# Altium PCB PCB信仰尺V1.0.pcbdoc (part 3 of 6)
Units mil, origin at the board's own origin, x right, y up, seen from the top; angles counter-clockwise.
Board outline 13501.75 x 10176.26 mil, 2 copper layers (Top Layer, Bottom Layer); 258 components, 187 nets, 2051 pads, 0 vias.
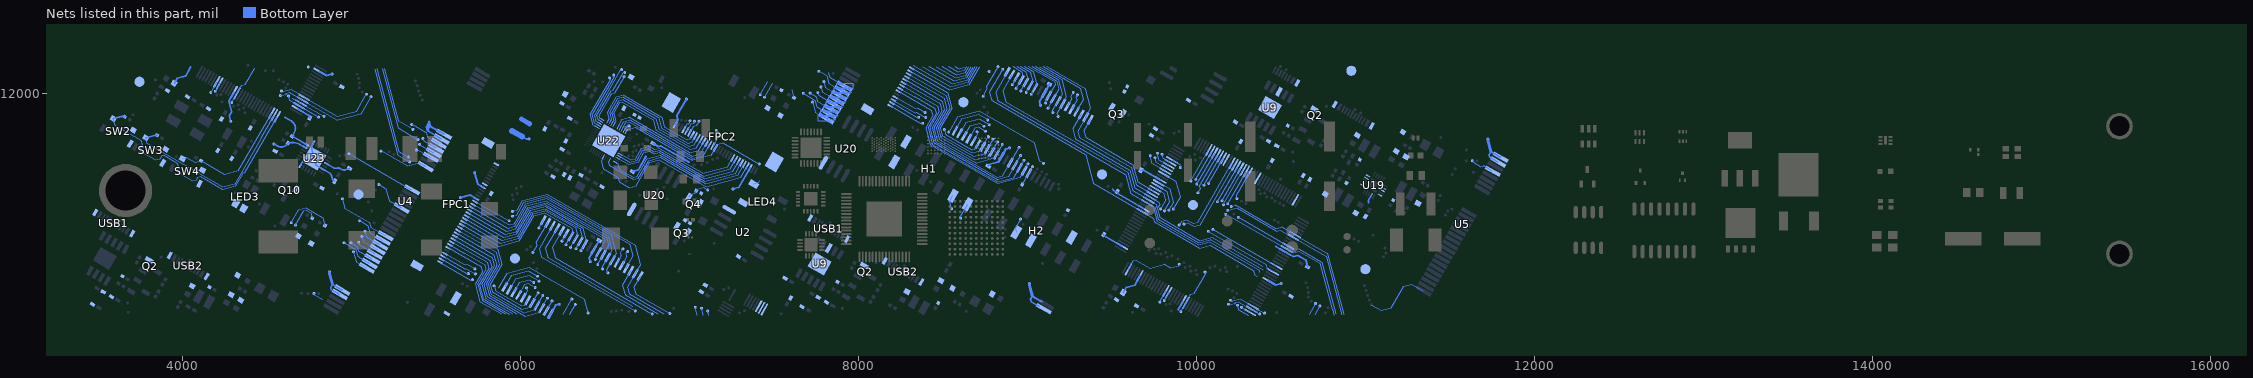
[diagram p3: the nets of this part, all layers, seen from the top]

## Nets (pads, with @x,y where several pads share a name; then routed paths per layer and width w, separated by ;. In a path a pad name is that pad's centre, name@x,y a point inside that pad or via, vN(x,y) a via of type N, cw(c..) or ccw(c..) an arc to the next point about the centre after c; other vN are vias at no path point) (continued)
FSMC-A5: pad.24@6163.05,11231.81 pad.130 pad.145@4293.06,11944.84 pad.145@5163.04,11459.16 pad.145@6074.56,11056.54 pad.145@8738.56,11981.54 pad.145@8826.39,12156.63 pad.145@9908.11,10706.73 pad.145@10050.96,10940.91 U4.25 | length 1141.6
  Bottom Layer w5.98: pad.145@4293.06,11944.84 pad.145@4295.78,11949.55 ; pad.145@4295.73,11949.76 pad.145@4295.78,11949.55 ; 4427.75,12147.86 4372.61,12052.78 4352.23,12047.32 pad.130@4323.77,11998.03 pad.145@4295.78,11949.55 ; pad.145@5163.04,11459.16 5204.25,11435.37 5223.77,11362.52 U4.25@5295.61,11321.05 ; pad.145@6074.56,11056.54 6099.96,11100.52 6095.75,11116.22 6162.39,11231.63 pad.24@6163.05,11231.81 ; pad.145@8738.56,11981.54 8763.96,12025.52 8759.75,12041.22 pad.145@8826.39,12156.63 pad.145@8827.05,12156.81 ; pad.145@9908.11,10706.73 pad.145@9910.82,10711.44 ; pad.145@9910.77,10711.64 pad.145@9910.82,10711.44 ; pad.145@10050.96,10940.91 10054,10929.57 9987.66,10814.66 9967.27,10809.2 pad.130@9938.81,10759.92 pad.145@9910.82,10711.44
FSMC-A6: pad.25@6190.33,11216.06 pad.95 pad.145@4745.27,12153.6 pad.145@5386.38,11663.16 pad.145@6680.47,10711.03 pad.145@8854.33,12141.06 U4.11 | length 3117.3
  Bottom Layer w5.98: pad.145@5386.38,11663.16 5392.92,11664.91 U4.11@5468.83,11621.09 ; pad.25@6190.33,11216.06 6111.78,11080 6124.66,11031.93 pad.145@6680.47,10711.03 ; pad.145@8854.33,12141.06 8775.78,12005 8788.66,11956.93 9344.47,11636.03 9390.21,11465.33 pad.95@9679.22,11298.49 9745.76,11260.05 9751.66,11238.03 10020.61,11082.75 10082.29,11099.27 10340.82,10950.01 10348.2,10922.48 10360.31,10915.48
FSMC-A7: pad.26@6217.61,11200.31 pad.26@8881.61,12125.31 pad.92 pad.145@5404.5,11696.62 U4.9 | length 2984.1
  Bottom Layer w5.98: pad.145@5404.5,11696.62 5405.14,11694.23 U4.9@5484.58,11648.36 ; pad.26@6217.61,11200.31 6148.4,11080.42 6162.18,11028.96 6664.75,10738.86 ; pad.26@8881.61,12125.31 8812.4,12005.42 8826.18,11953.96 9586.45,11515.01 9616.1,11404.36 pad.92@9707.18,11351.78 ; pad.92@9708.76,11349.66 9744.34,11329.12 9766.93,11244.78 10013.35,11102.51 10079.59,11120.26 10367.63,10953.96 10371.39,10939.93
FSMC-A8: pad.27@6244.81,11184.61 pad.27@8908.81,12109.61 pad.91 pad.145@5423.86,11731.48 pad.145@6780.75,10692.86 U4.7 | length 3022.7
  Bottom Layer w5.98: pad.145@5423.86,11731.48 5427.56,11717.65 U4.7@5500.33,11675.64 ; pad.27@6244.89,11184.56 6189.61,11088.81 6206.89,11024.35 pad.145@6780.75,10692.86 ; pad.27@8908.89,12109.56 8853.61,12013.81 8870.89,11949.35 9596.47,11530.43 9625.63,11421.6 pad.91@9717.03,11368.84 ; pad.91@9718.59,11366.68 9761.71,11341.83 9764.71,11330.65 9757.95,11318.94 9775.79,11252.35 10014.9,11114.3 10081.14,11132.04 10395.05,10950.79
FSMC-A9: pad.42@6654,10948.36 pad.42@9318,11873.36 pad.90 pad.145@5357.15,11814.37 U4.5 | length 2175
  Bottom Layer w5.98: pad.145@5357.15,11814.37 5442.39,11765.16 5448.64,11741.85 U4.5@5516.08,11702.92 ; pad.42@6654,10948.36 6604.54,10862.69 6619.89,10805.43 6813.75,10693.86 ; pad.42@9318,11873.36 9268.54,11787.69 9283.89,11730.43 9606.18,11544.35 9634.36,11439.2 pad.90@9726.83,11385.81 ; pad.90@9728.43,11383.72 9777.62,11355.28 9782.06,11338.73 9769.73,11317.39 9783.95,11264.34 10021.21,11127.36 10094.51,11147 10391.87,10975.31
FSMC-A10: FPC1.2 pad.2@8198.03,11941.34 pad.43@6681.28,10932.61 pad.43@9345.28,11857.61 pad.89 pad.145@5692.95,10932.09 pad.145@5953.97,11299.51 pad.145@8356.95,11857.09 | length 2904.1
  Bottom Layer w5.98: FPC1.2@5534.03,11016.34 5684.07,10929.71 pad.145@5692.95,10932.09 ; pad.145@5953.97,11299.51 5979.02,11306.22 6009.5,11359.02 6159.1,11399.1 6681.9,11097.26 6711.84,10985.53 pad.43@6681.28,10932.61 6633.83,10850.42 6643.75,10813.41 6848.75,10694.86 ; pad.2@8198.03,11941.34 8348.07,11854.71 pad.145@8356.95,11857.09 ; 9115.75,12155.86 9345.9,12022.26 9375.84,11910.53 pad.43@9345.28,11857.61 9297.83,11775.42 9307.75,11738.41 9615.46,11560.75 9643.32,11456.77 pad.89@9736.68,11402.87
FSMC-A11: pad.44@6708.56,10916.86 pad.44@9372.56,11841.86 pad.88 pad.145@6884.75,10695.86 | length 1002.5
  Bottom Layer w5.98: pad.44@6708.56,10916.86 6671.12,10852 6681.63,10812.74 pad.145@6884.75,10695.86 ; pad.44@9372.56,11841.86 9335.12,11777 9345.63,11737.74 9624.92,11576.49 9652.29,11474.34 pad.88@9746.53,11419.93
FSMC-A12: pad.22@5907.77,10852.65 pad.22@8571.77,11777.65 pad.58 pad.145@6101.55,10916.35 pad.145@8765.55,11841.35 pad.145@10124.05,11356.91 | length 728.2
  Bottom Layer w5.98: pad.22@5907.77,10852.65 5945.93,10918.73 6049.4,10946.46 pad.145@6101.55,10916.35 ; pad.22@8571.77,11777.65 8609.93,11843.73 8713.4,11871.46 pad.145@8765.55,11841.35 ; pad.145@10124.05,11356.91 10124.43,11357.01 pad.58@10244.67,11565.29
FSMC-A13: pad.21@5935.05,10836.9 pad.21@8599.05,11761.9 pad.57 pad.145@6110.82,10887.05 pad.145@8774.82,11812.05 pad.145@10151.75,11362.86 | length 665.1
  Bottom Layer w5.98: pad.21@5935.05,10836.9 5970.44,10898.19 6053.13,10920.35 pad.145@6110.82,10887.05 ; pad.21@8599.05,11761.9 8634.44,11823.19 8717.13,11845.35 pad.145@8774.82,11812.05 ; pad.145@10152.2,11365.7 pad.57@10261.73,11555.44
FSMC-A14: pad.20@5962.33,10821.15 pad.20@8626.33,11746.15 pad.56 pad.145@6079.8,10878.92 pad.145@8743.8,11803.92 pad.145@10160.43,11338.86 | length 550.8
  Bottom Layer w5.98: pad.20@5962.33,10821.15 5994.83,10877.43 6054.63,10893.45 pad.145@6079.8,10878.92 ; pad.20@8626.33,11746.15 8658.83,11802.43 8718.63,11818.45 pad.145@8743.8,11803.92 ; pad.145@10159.79,11338.67 10159.65,11339.21 pad.56@10278.77,11545.6
FSMC-A15: pad.19@5989.61,10805.4 pad.19@8653.61,11730.4 pad.55 pad.145@6088.2,10849.3 pad.145@8752.2,11774.3 pad.145@10185.94,11345.42 | length 501.1
  Bottom Layer w5.98: pad.19@5989.61,10805.4 6024.69,10866.15 6048.14,10872.43 pad.145@6088.2,10849.3 ; pad.19@8653.61,11730.4 8688.69,11791.15 8712.14,11797.43 pad.145@8752.2,11774.3 ; pad.145@10185.94,11345.42 pad.55@10295.81,11535.72
FSMC-A16: pad.18@6016.81,10789.7 pad.18@8680.81,11714.7 pad.65 pad.145@6036.44,10847.03 pad.145@8702.67,11770.86 pad.145@10009.01,11409.97 | length 385.7
  Bottom Layer w5.98: pad.18@6016.89,10789.65 6040.75,10830.97 pad.145@6036.44,10847.03 ; pad.18@8680.89,11714.65 8704.75,11755.97 pad.145@8700.44,11772.03 ; pad.145@10009.01,11409.97 10022.54,11433.4 10018.48,11448.54 10125.44,11633.8 pad.65@10125.34,11634.18
FSMC-A17: pad.23@6135.77,11247.56 pad.64 pad.145@6109.91,11202.5 pad.145@8773.86,12127.67 pad.145@10044.64,11454.83 | length 248.4
  Bottom Layer w5.98: pad.145@6109.91,11202.5 6109.86,11202.67 pad.23@6135.77,11247.56 ; pad.145@8773.86,12127.67 pad.145@8773.91,12127.5 ; pad.145@10044.76,11454.38 pad.145@10044.64,11454.83 10142.43,11624.22 pad.64@10142.39,11624.34
FSMC-A18: pad.28@6272.09,11168.86 pad.28@8936.09,12093.86 pad.63 pad.145@6246.32,11124.04 pad.145@8910.32,12049.04 pad.145@10072.8,11465.65 | length 275.9
  Bottom Layer w5.98: pad.145@6246.32,11124.04 pad.28@6272.17,11168.81 ; pad.145@8910.32,12049.04 pad.28@8936.17,12093.81 ; pad.145@10072.8,11465.65 10158.59,11614.25 pad.63@10159.46,11614.49
FSMC-D0: FPC1.6 pad.6@8237.43,12009.58 pad.7@8980.88,11541.45 pad.60 pad.145@9003.78,11581.1 pad.145@9897.94,11219.23 | length 2264.7
  Bottom Layer w5.98: FPC1.6@5573.43,11084.58 5771.33,10970.32 5778.46,10943.69 5736.39,10870.82 5764.44,10766.15 5889.75,10693.86 ; pad.6@8237.43,12009.58 8435.33,11895.32 8442.46,11868.69 8400.39,11795.82 8428.44,11691.15 8823.74,11462.92 8955.66,11498.28 pad.7@8980.27,11540.9 ; pad.7@8980.88,11541.45 pad.145@9003.78,11581.1 ; pad.145@9897.94,11219.23 9909.28,11238.86 9943.12,11247.93 9980.62,11226.28 10007.64,11233.52 pad.60@10210.58,11584.97
FSMC-D1: FPC1.7 pad.7@8247.28,12026.64 pad.8@8953.6,11557.2 pad.59 pad.145@8980.41,11601.81 pad.145@9926.34,11224.97 | length 2270.8
  Bottom Layer w5.98: FPC1.7@5583.28,11101.64 5668.7,11052.32 5669.08,11052.42 5791.94,10981.49 5798.6,10956.61 5748.18,10869.27 5773.87,10773.39 5910.75,10694.86 ; pad.7@8247.28,12026.64 8332.7,11977.32 8333.08,11977.42 8455.94,11906.49 8462.6,11881.61 8412.18,11794.27 8437.87,11698.39 8825.29,11474.7 8920.39,11500.18 pad.8@8952.99,11556.65 ; pad.8@8953.6,11557.2 8955.38,11557.68 pad.145@8980.41,11601.81 8980.25,11602.31 pad.145@8980.41,11601.81 ; pad.145@9926.34,11224.97 9948.82,11230.99 9986.32,11209.34 10021.93,11218.89 pad.59@10227.63,11575.13
FSMC-D2: FPC1.8 pad.8@8257.13,12043.7 pad.9@8926.33,11572.95 pad.31@10583.01,11163.1 pad.145@5364.75,11784.86 pad.145@6325.72,10748.78 pad.145@8959.72,11630.78 pad.145@10207.23,11329.22 | length 2691.3
  Bottom Layer w5.98: 5197.75,12144.86 5280.41,11836.3 pad.145@5363.81,11788.15 ; FPC1.8@5593.13,11118.7 5807.96,10994.67 5815.98,10964.74 5760.58,10868.79 5784.38,10780 5934.75,10692.86 ; 6292.32,10690.95 pad.145@6325.72,10748.78 pad.145@6325.78,10748.55 ; pad.8@8257.13,12043.7 8471.96,11919.67 8479.98,11889.74 8424.58,11793.79 8448.38,11705 8825.17,11487.46 8886.09,11503.78 pad.9@8925.71,11572.4 ; pad.9@8926.33,11572.95 pad.145@8959.72,11630.78 pad.145@8959.78,11630.55 ; pad.145@10207.23,11329.22 10232.07,11335.87 10469.81,11198.62 10505.16,11208.09 pad.31@10583.01,11163.1
FSMC-D3: FPC1.9 pad.9@8266.93,12060.67 pad.10@8899.13,11588.65 pad.30@10573.17,11146.05 pad.145@5394.71,11725.04 pad.145@6305.36,10781.11 pad.145@8951.36,11679.11 pad.145@10185.43,11306.26 | length 3450.3
  Bottom Layer w5.98: 5185.75,12144.86 5281.3,11790.52 pad.145@5394.71,11725.04 ; FPC1.9@5602.93,11135.67 5822.73,11008.77 5832.67,10971.68 5772.99,10868.32 5794.88,10786.62 5955.75,10693.86 ; 6253.13,10690.65 pad.145@6305.36,10781.11 pad.145@6305.22,10781.65 ; pad.9@8266.93,12060.67 8486.73,11933.77 8496.67,11896.68 8436.99,11793.32 8458.88,11711.62 8821.77,11502.11 8853.82,11510.7 pad.10@8898.51,11588.1 ; pad.10@8899.13,11588.65 pad.145@8951.36,11679.11 pad.145@8951.22,11679.65 ; pad.145@10185.33,11308.34 pad.145@10185.86,11306.37 ; 10859.75,10689.55 10859.29,10689.55 10767.3,11033.99 pad.30@10573.17,11146.05 10572.19,11145.81 10495.89,11189.86 10473.43,11183.84 10240.73,11318.19 10188.85,11304.28 pad.145@10185.97,11305.95 ; pad.145@10185.86,11306.37 pad.145@10185.97,11305.95 ; pad.145@10185.86,11306.37 pad.145@10185.43,11306.26 pad.145@10185.97,11305.95
FSMC-D4: FPC1.10 pad.10@8276.78,12077.74 pad.13@6153.29,10710.9 pad.13@8817.29,11635.9 pad.87 pad.145@6187.58,10770.29 pad.145@8851.58,11695.29 pad.145@9788.54,11314.86 | length 1937
  Bottom Layer w5.98: FPC1.10@5612.78,11152.74 5835.86,11023.94 5848.43,10977.02 5786.12,10869.09 5806.18,10794.23 5979.75,10693.86 ; pad.13@6140.33,10688.98 pad.13@6152.68,10710.35 ; pad.13@6153.29,10710.9 pad.145@6187.58,10770.29 ; pad.10@8276.78,12077.74 8499.86,11948.94 8512.43,11902.02 8450.12,11794.09 8470.18,11719.23 8700.62,11586.19 8804.33,11613.98 pad.13@8816.68,11635.35 ; pad.13@8817.29,11635.9 pad.145@8851.58,11695.29 ; pad.87@9757.96,11434.87 9810.56,11404.5 9820.09,11368.94 pad.145@9788.87,11314.87
FSMC-D5: FPC1.11 pad.11@8286.63,12094.8 pad.14@6126.01,10726.65 pad.14@8790.01,11651.65 pad.51@7808.92,11849.87 pad.86 pad.145@5013.01,11061.26 pad.145@6160.49,10786.37 pad.145@7729.05,11946.14 pad.145@8824.49,11711.37 pad.145@9811.1,11302.97 U4.51 | length 2817.9
  Bottom Layer w1: 7771.36,11885.2 pad.51@7846.49,11814.55 ; 7759.55,11864.74 7858.3,11864.74 pad.51@7858.3,11835 ; 7759.55,11864.74 7759.55,11835 pad.51@7858.3,11835 ; 7759.55,11864.74 pad.51@7858.3,11835
  Bottom Layer w5.98: pad.145@5012,11061.83 pad.145@5013.01,11061.26 5028.8,11002.29 U4.51@5090.88,10966.45 ; FPC1.11@5622.63,11169.8 5847,11040.26 5863.05,10980.36 5798.14,10867.94 5815.48,10803.22 6028.76,10680.08 6111.65,10702.29 pad.14@6125.4,10726.1 ; pad.14@6126.01,10726.65 pad.145@6160.49,10786.37 ; pad.145@7728.05,11946.72 pad.145@7729.05,11946.14 7744.85,11887.18 pad.51@7806.92,11851.34 ; pad.11@8286.63,12094.8 8511,11965.26 8527.05,11905.36 8462.14,11792.94 8479.48,11728.22 8692.76,11605.08 8775.65,11627.29 pad.14@8789.4,11651.1 ; pad.14@8790.01,11651.65 pad.145@8824.49,11711.37 ; pad.86@9767.8,11451.91 9827.34,11417.56 9843.17,11358.5 pad.145@9811.1,11302.97
FSMC-D6: FPC1.12 pad.12@8296.48,12111.86 pad.15@6098.65,10742.45 pad.15@8762.65,11667.45 pad.49@7824.67,11877.15 pad.85 pad.145@4957.63,11114.25 pad.145@6133.02,10802.37 pad.145@7673.67,11999.13 pad.145@8797.09,11727.11 pad.145@9837.05,11307.37 U4.49 | length 2911.5
  Bottom Layer w1: 7787.11,11912.48 pad.49@7862.24,11841.82 ; 7775.29,11892.02 7874.05,11892.02 pad.49@7874.05,11862.28 ; 7775.29,11892.02 7775.29,11862.28 pad.49@7874.05,11862.28 ; 7775.29,11892.02 pad.49@7874.05,11862.28
  Bottom Layer w5.98: pad.145@4957.54,11114.59 pad.145@4957.63,11114.25 5027.18,11074.09 5038.12,11033.29 U4.49@5106.63,10993.73 ; FPC1.12@5632.48,11186.86 5859.38,11055.85 5878.38,10984.95 5809.93,10866.38 5824.13,10813.38 6020.05,10700.27 6083.87,10717.37 pad.15@6098.03,10741.9 ; pad.15@6098.65,10742.45 6133.09,10802.11 pad.145@6133.02,10802.37 ; pad.145@7673.58,11999.48 pad.145@7673.67,11999.13 7743.23,11958.98 7754.16,11918.17 pad.49@7822.67,11878.62 ; pad.12@8296.48,12111.86 8523.38,11980.85 8542.38,11909.95 8473.93,11791.38 8488.13,11738.38 8684.05,11625.27 8747.87,11642.37 pad.15@8762.03,11666.9 ; pad.15@8762.65,11667.45 pad.145@8797.09,11727.11 pad.145@8797.02,11727.37 ; pad.85@9777.66,11468.99 9844.52,11430.39 9864.67,11355.21 pad.145@9837.05,11307.37
FSMC-D7: FPC1.13 pad.13@8306.33,12128.92 pad.16@6071.37,10758.2 pad.16@8735.37,11683.2 pad.47@7840.42,11904.43 pad.82 pad.145@4998.59,11114.61 pad.145@6105.74,10817.74 pad.145@7714.64,11999.5 pad.145@8769.74,11742.74 pad.145@9863.47,11313.73 U4.47 | length 2819.8
  Bottom Layer w1: 7802.85,11939.75 7877.99,11869.1 ; 7791.04,11919.29 7889.8,11919.29 pad.47@7889.8,11889.56 ; 7791.04,11919.29 7791.04,11889.56 pad.47@7889.8,11889.56 ; 7791.04,11919.29 pad.47@7889.8,11889.56
  Bottom Layer w5.98: pad.145@4998.32,11115.63 pad.145@4998.59,11114.61 5033.61,11094.39 5040.63,11068.2 U4.47@5122.38,11021.01 ; FPC1.13@5642.33,11203.92 5868.33,11073.44 5891.73,10986.1 5822.06,10865.44 5833.38,10823.2 6009.75,10721.37 6057.13,10734.07 pad.16@6070.75,10757.65 ; pad.16@6071.37,10758.2 pad.145@6105.74,10817.74 ; pad.145@7714.36,12000.52 pad.145@7714.64,11999.5 7749.66,11979.28 7756.67,11953.09 pad.47@7838.42,11905.89 ; pad.13@8306.33,12128.92 8532.33,11998.44 8555.73,11911.1 8486.06,11790.44 8497.38,11748.2 8673.75,11646.37 8721.13,11659.07 pad.16@8734.75,11682.65 ; pad.16@8735.37,11683.2 pad.145@8769.74,11742.74 ; pad.82@9807.17,11520.11 9882.31,11476.69 9906.16,11387.68 pad.145@9863.47,11313.73
FSMC-D8: FPC1.14 pad.14@8316.18,12145.98 pad.29@6299.37,11153.11 pad.29@8963.37,12078.11 pad.45@7856.17,11931.7 pad.81 pad.145@5044.37,11117.3 pad.145@6269.79,11102.72 pad.145@7034.9,10732.57 pad.145@7760.41,12002.19 pad.145@8933.79,12027.72 pad.145@9726.9,11629.57 U4.45 | length 2490.2
  Bottom Layer w1: 7818.6,11967.03 pad.45@7893.73,11896.37 ; 7806.79,11946.57 7905.54,11946.57 pad.45@7905.54,11916.83 ; 7806.79,11946.57 7806.79,11916.83 pad.45@7905.54,11916.83 ; 7806.79,11946.57 pad.45@7905.54,11916.83
  Bottom Layer w5.98: pad.145@5044.37,11117.3 5048.5,11101.86 5137.54,11050.46 U4.45@5138.12,11048.28 ; FPC1.14@5652.18,11220.98 5875.71,11091.92 5991.55,11122.96 6079.59,11275.45 6145.14,11293.01 6306.48,11199.86 6312.68,11176.7 pad.29@6299.01,11153.01 ; pad.145@6269.52,11103.73 pad.145@6269.79,11102.72 pad.29@6298.79,11152.95 ; pad.29@6298.75,11152.56 pad.29@6298.79,11152.95 ; pad.29@6299.37,11153.11 pad.29@6299.01,11153.01 ; pad.145@7034.9,10732.57 7047.7,10684.78 ; pad.145@7760.41,12002.19 7764.55,11986.75 7853.58,11935.34 pad.45@7854.17,11933.17 ; pad.14@8316.18,12145.98 8539.71,12016.92 8655.55,12047.96 8717.75,12155.86 ; 8916.23,12156.01 8971.17,12124.46 8977.09,12102.39 pad.29@8963.01,12078.01 ; pad.145@8933.52,12028.73 pad.145@8933.79,12027.72 pad.29@8962.79,12077.95 ; pad.29@8962.75,12077.56 pad.29@8962.79,12077.95 ; pad.29@8963.37,12078.11 pad.29@8963.01,12078.01 ; pad.145@9726.9,11629.57 9739.7,11581.78 pad.81@9817.01,11537.15 ; pad.29@6298.79,11152.95 pad.29@6299.01,11153.01 ; pad.29@8962.79,12077.95 pad.29@8963.01,12078.01
FSMC-D9: FPC1.15 pad.30@6326.65,11137.36 pad.30@8990.65,12062.36 pad.43@7871.92,11958.98 pad.80 pad.145@5062.54,11151.05 pad.145@6297.67,11087.17 pad.145@7778.58,12035.94 pad.145@8961.76,12012.48 pad.145@9755.49,11616.91 U4.43 | length 2433.8
  Bottom Layer w1: 7834.35,11994.31 pad.43@7909.48,11923.65 ; 7822.54,11973.85 7921.29,11973.85 pad.43@7921.29,11944.11 ; 7822.54,11973.85 7822.54,11944.11 pad.43@7921.29,11944.11 ; 7822.54,11973.85 pad.43@7921.29,11944.11
  Bottom Layer w5.98: pad.145@5062.54,11151.05 5069.75,11124.13 U4.43@5153.87,11075.56 ; FPC1.15@5661.98,11237.95 5883.74,11109.92 5987.37,11137.69 6072.35,11284.88 6146.69,11304.8 6330.16,11198.88 6340.21,11161.37 pad.30@6326.42,11137.49 ; pad.145@6301.1,11092.88 6297.82,11087.21 pad.145@6297.67,11087.17 6297.76,11087.48 pad.30@6326.42,11137.49 ; pad.30@6326.03,11136.81 pad.30@6326.42,11137.49 ; pad.145@7778.58,12035.94 7785.79,12009.02 pad.43@7869.92,11960.45 ; 8325.98,12162.95 8547.74,12034.92 8651.37,12062.69 8704.75,12154.86 ; 8938.75,12155.86 8994.16,12123.88 9004.21,12086.37 pad.30@8990.42,12062.49 ; pad.145@8965.1,12017.88 8961.82,12012.21 8961.67,12012.17 pad.145@8961.76,12012.48 pad.30@8990.42,12062.49 ; pad.30@8990.03,12061.81 pad.30@8990.42,12062.49 ; pad.145@9755.49,11616.91 9762.3,11591.49 pad.80@9826.85,11554.2
FSMC-D10: FPC1.16 pad.31@6354.01,11121.56 pad.31@9018.01,12046.56 pad.41@7887.66,11986.25 pad.79 pad.145@5080.31,11182.59 pad.145@6328.84,11078.99 pad.145@7072.71,10727.1 pad.145@7796.35,12067.48 pad.145@8993.27,12004.11 pad.145@9769.71,11644.1 U4.41 | length 2415.4
  Bottom Layer w1: 7850.1,12021.58 pad.41@7925.23,11950.93 ; 7838.29,12001.12 7937.04,12001.12 7937.04,11971.38 ; 7838.29,12001.12 7838.29,11971.38 7937.04,11971.38 ; 7838.29,12001.12 7937.04,11971.38
  Bottom Layer w5.98: pad.145@5080.31,11182.59 5089.25,11149.24 U4.41@5169.62,11102.84 ; FPC1.16@5671.83,11255.01 5893.5,11127.03 5982.27,11150.82 6065.12,11294.32 6148.24,11316.59 6351.75,11199.09 6366.56,11143.81 pad.31@6353.4,11121.01 ; pad.145@6328.84,11078.99 6329.27,11079.11 pad.31@6353.42,11120.93 ; pad.145@7072.71,10727.1 7083.53,10686.71 ; pad.145@7796.35,12067.48 7805.29,12034.13 pad.41@7885.66,11987.72 ; 8381.75,12153.86 8557.5,12052.03 8646.27,12075.82 8691.75,12154.86 ; 8960.75,12155.86 9015.75,12124.09 9030.56,12068.81 pad.31@9017.4,12046.01 ; pad.145@8992.84,12003.99 pad.145@8993.27,12004.11 pad.31@9017.42,12045.93 ; pad.145@9769.71,11644.1 9780.53,11603.71 pad.79@9836.7,11571.25
FSMC-D11: FPC1.17 pad.32@6381.29,11105.81 pad.32@9045.29,12030.81 pad.39@7903.41,12013.53 pad.78 pad.145@5049.53,11244.18 pad.145@6359.01,11068.29 pad.145@7108.15,10710.71 pad.145@7765.57,12129.07 pad.145@9023.01,11993.29 pad.145@9797.15,11637.71 U4.39 | length 2452.3
  Bottom Layer w1: 7865.85,12048.86 7940.98,11978.2 ; 7854.03,12028.4 7952.79,12028.4 pad.39@7952.79,11998.66 ; 7854.03,12028.4 7854.03,11998.66 pad.39@7952.79,11998.66 ; 7854.03,12028.4 pad.39@7952.79,11998.66
  Bottom Layer w5.98: pad.145@5049.53,11244.18 5097.93,11216.24 5109.22,11174.08 U4.39@5185.37,11130.11 ; FPC1.17@5681.68,11272.07 5902.86,11144.38 5977.4,11164.35 6057.88,11303.75 6149.79,11328.38 6370.54,11200.93 6391.26,11123.59 6380.68,11105.26 6380.3,11105.16 pad.145@6359.01,11068.29 ; pad.145@7108.15,10710.71 7114.75,10686.05 ; pad.145@7765.57,12129.07 7813.97,12101.13 7825.27,12058.96 pad.39@7901.41,12015 ; 8418.75,12154.86 8566.86,12069.38 8641.4,12089.35 8678.75,12153.86 ; 8983.75,12155.86 9034.54,12125.93 9055.26,12048.59 9044.68,12030.26 9044.3,12030.16 pad.145@9023.01,11993.29 ; pad.145@9797.15,11637.71 9803.75,11613.05 pad.78@9846.56,11588.33
FSMC-D12: FPC1.18 pad.35@6463.13,11058.56 pad.35@9127.13,11983.56 pad.37@7919.16,12040.81 pad.77 pad.145@4947.39,11374.4 pad.145@6444.02,11016.06 pad.145@9108.02,11941.06 pad.145@9904.86,11559.25 U4.37 | length 2720.4
  Bottom Layer w1: 7881.59,12076.13 pad.37@7956.73,12005.48 ; 7869.78,12055.68 7968.54,12055.68 pad.37@7968.54,12025.94 ; 7869.78,12055.68 7869.78,12025.94 pad.37@7968.54,12025.94 ; 7869.78,12055.68 pad.37@7968.54,12025.94
  Bottom Layer w5.98: pad.145@4947.39,11374.4 4962.31,11318.71 5106.83,11235.27 5114.27,11207.53 U4.37@5201.12,11157.39 ; FPC1.18@5691.53,11289.13 5912.22,11161.72 5972.52,11177.88 6050.64,11313.18 6151.34,11340.16 6500.05,11138.84 6503.04,11127.68 pad.35@6463.13,11058.56 6442.3,11022.48 pad.145@6444.02,11016.06 ; 7822.88,12120.16 7830.31,12092.42 pad.37@7917.16,12042.28 ; 8459.75,12153.86 8576.22,12086.72 8636.52,12102.88 8666.75,12155.86 ; 9006.75,12154.86 9164.05,12063.84 9167.04,12052.68 pad.35@9127.13,11983.56 9106.3,11947.48 pad.145@9108.02,11941.06 ; pad.77@9856.38,11605.35 9904.78,11577.35 9908.15,11564.8 pad.145@9904.95,11559.27
FSMC-D13: FPC1.19 pad.36@6490.33,11042.86 pad.36@9154.33,11967.86 pad.68 pad.138@7410.2,10738.71 pad.145@6458.35,10986.29 pad.145@9122.35,11911.29 pad.145@9967.56,11479.4 | length 1907.3
  Bottom Layer w5.98: FPC1.19@5701.38,11306.2 5919.18,11180.45 5969.03,11193.8 6043.4,11322.61 6152.89,11351.95 6509.48,11146.08 6522.3,11098.24 pad.36@6490.33,11042.86 6490.54,11042.05 pad.145@6458.35,10986.29 ; 8497.75,12154.86 8583.18,12105.45 8633.03,12118.8 8653.75,12154.86 ; 9027.75,12154.86 9173.48,12071.08 9186.3,12023.24 pad.36@9154.33,11967.86 9154.54,11967.05 pad.145@9122.35,11911.29 ; pad.145@9967.56,11479.4 9967.76,11479.46 pad.68@10074.2,11663.71
FSMC-D14: FPC1.20 pad.37@6517.6,11027.11 pad.37@9181.6,11952.11 pad.67 pad.138@7427.25,10728.87 pad.145@6487.15,10959.95 pad.145@9151.15,11884.95 pad.145@9996.78,11489.57 | length 1870.5
  Bottom Layer w5.98: FPC1.20@5711.23,11323.26 5927.24,11198.54 5964.92,11208.64 6036.17,11332.05 6154.45,11363.74 6518.91,11153.32 6541.59,11068.66 pad.37@6517.6,11027.11 6517.48,11027.08 6484.48,10969.91 pad.145@6487.15,10959.95 ; 8535.75,12155.86 8591.24,12123.54 8628.92,12133.64 8641.75,12155.86 ; 9049.87,12155.07 9182.91,12078.32 9205.59,11993.66 pad.37@9181.6,11952.11 9181.48,11952.08 9148.48,11894.91 pad.145@9151.15,11884.95 ; pad.145@9996.78,11489.57 10091.35,11653.38 pad.67@10091.25,11653.87
FSMC-D15: FPC1.21 pad.38@6544.88,11011.36 pad.38@9208.88,11936.36 pad.66 pad.138@7444.3,10719.03 pad.145@6518.65,10936.45 pad.145@9182.07,11861.3 pad.145@10002.42,11461.25 | length 1872.5
  Bottom Layer w5.98: FPC1.21@5721.08,11340.32 5934.01,11217.38 5961.54,11224.75 6028.93,11341.48 6156,11375.53 6538.48,11154.7 6566.74,11049.22 pad.38@6544.88,11011.36 6512.83,10955.84 6518.07,10936.3 pad.145@6518.65,10936.45 ; 8574.75,12155.86 8598.01,12142.38 8625.54,12149.75 ; 9074.75,12153.86 9202.48,12079.7 9230.74,11974.22 pad.38@9208.88,11936.36 9176.83,11880.84 pad.145@9182.07,11861.3 pad.145@9182.65,11861.45 ; pad.145@10002.42,11461.25 10107.89,11643.93 pad.66@10108.29,11644.03
FSMC-NBL0: pad.4@4702.22,11940.93 pad.4@10317.26,10702.81 pad.39@6572.16,10995.61 pad.39@9236.16,11920.61 pad.145@4838.7,11862.17 pad.145@6607.44,11077.73 pad.145@9271.44,12002.73 pad.145@10266.88,10731.94 | length 462.4
  Bottom Layer w5.98: 4651.4,11969.93 4651.28,11970.37 4702.24,11940.95 pad.145@4838.7,11862.17 ; pad.39@6572.16,10995.61 6598.52,11041.25 6594.67,11055.61 pad.145@6607.44,11077.73 ; pad.39@9236.16,11920.61 9262.52,11966.25 9258.67,11980.61 pad.145@9271.44,12002.73 ; pad.145@10266.44,10731.82 10266.32,10732.26 pad.4@10317.26,10702.81
FSMC-NBL1: pad.3@4692.37,11923.87 pad.40@6599.44,10979.86 pad.40@9263.44,11904.86 pad.145@4628.67,11982.89 pad.145@4806.26,11858.15 pad.145@6634.82,11062.26 pad.145@9296.72,11989.63 pad.145@10243.71,10744.78 | length 508.4
  Bottom Layer w5.98: pad.145@4628.67,11982.89 4635.7,11956.62 pad.3@4692.37,11923.87 pad.145@4806.26,11858.15 ; pad.40@6599.44,10979.86 6599.34,10980.24 6631.04,11035.14 6626.22,11053.09 6630.92,11061.22 pad.145@6634.82,11062.26 ; pad.40@9263.44,11904.86 9263.34,11905.24 9295.04,11960.14 9290.22,11978.09 9294.92,11986.22 pad.145@9298.82,11987.26 ; pad.145@10243.71,10744.78 10250.75,10718.51 10307.43,10685.78
FSMC-NE3: pad.6@9008.16,11525.7 pad.20@10474.74,10975.58 pad.145@9030.39,11564.55 pad.145@10097.36,11193.73 R2.2 | length 557.6
  Bottom Layer w5.98: R2.2@8969.5,11459.52 8970.04,11459.66 pad.6@9008.16,11525.7 9008.1,11525.95 pad.145@9030.39,11564.55 ; pad.145@10097.36,11193.73 10474.64,10975.91 pad.20@10474.74,10975.58
FSMC-NE4: FPC1.1 pad.1@8188.23,11924.36 pad.18@10455.06,10941.48 pad.145@5717.15,10896.17 pad.145@6401.18,10699.03 pad.145@8381.15,11821.17 pad.145@8534.6,11769.46 pad.145@9095.8,11584 pad.145@10070.16,11182.35 | length 2352.2
  Bottom Layer w5.98: FPC1.1@5524.23,10999.36 5707.46,10893.57 pad.145@5717.15,10896.17 ; 5870.6,10844.46 5921.13,10931.99 6052.39,10967.16 6380.03,10778 pad.145@6401.18,10699.03 ; pad.1@8188.23,11924.36 8371.46,11818.57 pad.145@8381.15,11821.17 ; pad.145@8534.6,11769.46 8585.13,11856.99 8716.39,11892.16 9044.03,11703 9072.27,11597.58 pad.145@9095.8,11584 ; pad.145@10070.16,11182.35 10414.92,10983.3 10420.82,10961.3 pad.18@10455.06,10941.48
FSMC-NOE: FPC1.4 pad.4@8217.73,11975.46 pad.27@10543.64,11094.91 pad.41@6626.72,10964.11 pad.41@9290.72,11889.11 pad.145@5337.38,11621.01 pad.145@5730.95,10959.83 pad.145@5954.5,11271.46 pad.145@8394.95,11884.83 pad.145@10248.61,11264.88 | length 3241.2
  Bottom Layer w5.98: 5152.75,12143.86 5284.41,11651.59 pad.145@5337.38,11621.01 ; FPC1.4@5553.73,11050.46 5673.44,10981.34 5687.28,10985.05 pad.145@5730.95,10959.83 ; pad.145@5954.5,11271.46 5976.75,11277.42 6018.72,11350.12 6157.55,11387.32 6651.9,11101.9 6668.98,11038.17 pad.41@6626.72,10964.11 ; pad.4@8217.73,11975.46 8337.44,11906.34 8351.28,11910.05 pad.145@8394.95,11884.83 ; 9094.75,12154.86 9315.9,12026.9 9332.98,11963.17 pad.41@9290.72,11889.11 ; pad.145@10248.61,11264.88 10249.01,11264.99 pad.27@10543.64,11094.91 10582.12,11072.67 10605.93,11079.05 10742.2,11000.38 10824.05,10693.2
FSMC-NWE: FPC1.3 pad.3@8207.88,11958.4 pad.17@6044.09,10773.95 pad.17@8708.09,11698.95 pad.26@10533.8,11077.86 pad.145@5345.41,11592.73 pad.145@5734.35,10930.33 pad.145@5844.79,10859.8 pad.145@8398.35,11855.33 pad.145@8508.79,11784.8 pad.145@10173.45,11282.31 | length 2534.3
  Bottom Layer w5.98: 5141.75,12141.86 5278.45,11631.39 pad.145@5345.41,11592.73 ; FPC1.3@5543.88,11033.4 5671.66,10959.62 5679.83,10961.81 pad.145@5734.35,10930.33 ; pad.145@5844.79,10859.8 5853.44,10827.54 6009.27,10737.57 6025.75,10741.98 6044.12,10773.81 pad.17@6044.09,10773.95 ; pad.3@8207.88,11958.4 8335.66,11884.62 8343.83,11886.81 pad.145@8398.35,11855.33 ; pad.145@8508.79,11784.8 8517.44,11752.54 8673.27,11662.57 8689.75,11666.98 8708.12,11698.81 pad.17@8708.09,11698.95 ; pad.145@10173.45,11282.31 10177.66,11283.43 10533.78,11077.83 10573.4,11054.95 10609.12,11064.52 10732.76,10993.14 10806.75,10718.86 10814.07,10689.55 10814.75,10689.55
GND: C1.1@4403.01,11793.06 C2.2@4210.3,11659.42 C3.2 C4.1 C5.1 C6.1@4031.44,11978.55 C6.1@9646.48,10740.44 C7.2 C8.1 C9.1@9532.03,11418.08 C10.1 C11.1 C12.2 C13.2 C14.2 C15.2 C16.2 C17.2 C18.2 C19.1 C20.2 C21.1 C22.1 C23.2 C24.1 C25.2 C26.1 C28.1 C30.2 C40.1 C41.1 C42.2 C43.2 C45.1 C47.1 C49.2 C50.1 C51.1 C70.1 C71.2 C72.1 C73.1 C74.2 C75.2 C78.1 C79.1 C80.1 C81.1 C82.1 C83.1 C84.1 C86.2 C87.2 FPC1.23 FPC1.27 FPC1.28 FPC1.35 FPC1.36 FPC1.37 FPC2.2 FPC2.28 FPC2.31 FPC2.32 H1.3 H1.4 H2.8 H2.11 LED1.2 LED2.2 LED3.1 LED4.3 LED5.2 pad.1@3746.75,12066.86 pad.1@5042.75,11399.86 pad.1@5968.21,11021.13 pad.1@6054.91,11818.49 pad.1@8621.75,11945.86 pad.1@9441.75,11518.86 pad.1@9979.75,11337.86 pad.1@10916.75,12131.86 pad.1@11000.07,10957.86 pad.2@4682.53,11906.83 pad.2@6010.86,11742.19 pad.2@6655.79,12094.97 pad.3@5617.97,10786.59 pad.4@5565.75,10697.03 pad.12@6180.49,10695.2 pad.12@8844.49,11620.2 pad.15@4810.48,12128.45 pad.15@10425.53,10890.33 pad.19@4931.94,10807.86 pad.19@4947.39,10834.86 pad.19@9097.75,10723.86 pad.25@10523.95,11060.81 pad.34@6435.77,11074.36 pad.34@9099.77,11999.36 pad.37@8053.82,11904.16 pad.38@10585.63,11368.44 pad.51@10364.01,11496.39 pad.62 pad.84 pad.94 pad.107 pad.114 pad.129 pad.145@4287.33,11833.4 pad.145@4872.01,10942.37 pad.145@4887.2,12111.99 pad.145@5645.27,11381.3 pad.145@5730.32,11528.63 pad.145@6051.38,11729.06 pad.145@6230.13,10750.76 pad.145@6413.91,11002.17 pad.145@6982.8,11964.49 pad.145@7258.29,11432.6 pad.145@8894.13,11675.76 pad.145@9012.01,10872.37 pad.145@9077.91,11927.17 pad.145@10502.24,10873.87 pad.145@11725.01,11727.37 pad.A1 pad.A12 Q2.2 Q3.2 Q4.2 Q10.2 R16.1 R17.1 R20.1 R24.2 R26.1 R28.2 R29.1 R41.1 SW2.2 SW2.4 SW3.2 SW3.4 SW4.2 SW4.4 U2.4 U4.1@5549.57,11756 U4.3 U5.1@11800.76,11619.72 U5.3 U9.3 U9.11 U19.1 U19.4 U19.5 U19.12 U19.13 U19.15 U19.17 U20.4 U22.49 U23.1 U23.9 U23.11 U23.18 U23.25 USB1.A1 USB1.A12 USB2.A1 USB2.A12 | length 6122.8
  Bottom Layer w5.98: 10583.03,11163.13 10773.55,11053.14 10870.75,10690.86 ; 11034.86,10748.1 11094.55,10713.64 11153.86,10729.53 11226.96,10856.13 11273.98,10868.73 11341.73,10829.61
  Bottom Layer w7.87: pad.145@4287.33,11833.4 4278.71,11865.54 4292,11888.55 4274.83,11952.65 pad.129@4306.72,12007.88 ; 9889.87,10714.54 pad.129@9921.76,10769.76
  Bottom Layer w10: C22.1@3952.38,12057.73 3969.74,12087.8 4019.58,12101.15 4050.98,12155.53 ; pad.2@4682.53,11906.83 4751.47,11867.03 C17.2@4755.56,11851.77 ; U23.18@4698.33,11569.63 4712.98,11595 U23.25@4780.46,11613.08 ; U23.1@4776.77,11706.09 4762.27,11680.97 U23.25@4780.46,11613.08 ; U23.25@4793.85,11616.67 U23.25@4780.46,11613.08 ; U23.9@4853.02,11582.62 4853.05,11582.48 4894.44,11558.59 ccw(c4908.1,11582.24) 4915.17,11555.86 cw(c4921.88,11530.82) 4934.84,11553.27 4941.7,11549.31 ccw(c4958.71,11578.78) 4967.52,11545.91 4983.82,11550.28 ccw(c4981.04,11560.67) C30.2@4990.31,11555.31 ; pad.145@4872.43,10940.82 4867.8,10932.81 4886.38,10863.5 4878.59,10850.02 4882.45,10835.62 pad.19@4929.68,10808.35 ; C25.2@4902.03,11478.17 4898.5,11480.21 cw(c4910.33,11500.71) 4887.46,11494.59 ccw(c4886.8,11494.97) 4887.54,11495.17 4882.76,11513.01 ccw(c4862.93,11507.7) 4873.19,11525.48 U23.11@4833.33,11548.53 4791.26,11572.78 U23.25@4780.46,11613.08 ; 5461.29,11831.63 5460.68,11830.58 5443.01,11799.98 5448.88,11778.08 5457.81,11772.93 ; 5461.48,11829.52 5463.35,11823.54 ; 5461.83,11829.62 5463.35,11823.54 ; U4.3@5531.83,11730.19 5457.81,11772.93 ; pad.2@6010.86,11742.19 6028.34,11732.09 ccw(c6043.52,11758.4) pad.145@6051.38,11729.06 ; C80.1@6663.16,11535.54 6696.65,11544.52 6743.77,11626.14 6743.08,11626.55 ; pad.145@7258.29,11432.6 7292.85,11441.86 FPC2.28@7359.85,11557.9 ; pad.145@9012.43,10870.82 9007.8,10862.81 9026.38,10793.5 9018.59,10780.02 9022.45,10765.62 pad.19@9069.68,10738.35 ; 9505.43,11432.76 9507.35,11425.61 9524.12,11415.93 9532.01,11418.04 9535.77,11404.04 pad.94@9689.06,11315.53 ; C22.1@9567.39,10819.64 9584.78,10849.69 9634.62,10863.04 pad.114@9666.05,10917.4 ; 11018.34,11352.69 11019.88,11355.35 11017.39,11364.63 U19.17@11034.47,11394.21 ; pad.145@11725.43,11725.82 11720.8,11717.81 11739.38,11648.5 11731.59,11635.02 11735.45,11620.62 U5.3@11782.68,11593.35 ; 5454.22,11786.31 5457.81,11772.93 ; 5454.22,11786.31 5450.89,11798.73 5463.76,11821.01 5463.35,11823.54 ; 5454.22,11786.31 5467.08,11808.59 5465.88,11813.65 5464.11,11821.1 5463.35,11823.54
  Bottom Layer w11.81: pad.15@4810.48,12128.45 4854.28,12103.16 pad.145@4887.2,12111.99 ; pad.145@4872.01,10942.37 4872.43,10940.82 4892.41,10866.24 pad.19@4945.43,10835.63 ; 5460.68,11830.58 5461.48,11829.52 ; 5460.98,11832.77 5461.29,11831.63 5461.83,11829.62 5464.11,11821.1 ; 5463.76,11821.01 5465.88,11813.65 5469,11802.83 U4.1@5547.57,11757.47 ; pad.145@5645.27,11381.3 5702.24,11396.57 FPC1.23@5740.73,11374.35 ; pad.145@5730.32,11528.63 5748.48,11460.87 FPC1.27@5780.13,11442.59 ; pad.12@6165.06,10668.29 6209.48,10745.23 pad.145@6230.13,10750.76 ; pad.145@6413.91,11002.17 6407.63,11025.62 pad.34@6435.77,11074.36 6436.22,11074.48 C20.2@6467.01,11127.89 ; C79.1@6785.87,11702.06 6816.56,11684.34 6829.83,11687.89 6996.75,11591.52 6997.8,11591.8 ; FPC2.2@6916.61,11813.8 6932.33,11841.02 6925.73,11865.65 pad.145@6982.8,11964.49 ; C19.1@8768.49,11567.39 8775.04,11578.81 8829.06,11593.29 8873.48,11670.23 pad.145@8894.13,11675.76 ; pad.145@9012.01,10872.37 9012.43,10870.82 9032.41,10796.24 9085.43,10765.63 ; pad.145@9077.91,11927.17 9071.63,11950.62 pad.34@9099.77,11999.36 9100.22,11999.48 C20.2@9131.01,12052.89 ; C8.1@9451.55,11162.92 9453.37,11156.12 pad.107@9561.11,11093.92 ; C10.1@9672.23,11543.28 9683.27,11546.24 pad.84@9787.51,11486.05 ; pad.15@10425.53,10890.33 10469.32,10865.05 pad.145@10502.24,10873.87 ; 10471.56,11091.12 10523.98,11060.85 10573.97,11031.99 10600.58,11039.12 10648.52,11011.45 10658.55,10974 C15.2@10657.05,10971.4 ; pad.145@11725.01,11727.37 11725.43,11725.82 11745.41,11651.24 U5.1@11798.43,11620.63
  Bottom Layer w29.92: 6006,11846.72 pad.1@6054.91,11818.49
  Bottom Layer w35.04: 5951.99,11776.18 pad.2@6010.86,11742.19
GPIO0: FPC2.15 pad.145@6642.75,11806.86 pad.145@7159.2,11778.33 R41.2 U22.23 | length 149.4
  Bottom Layer w5.98: U22.23@6613.9,11778.93 6628.46,11804.21 pad.145@6638.69,11806.95 ; FPC2.15@7138.23,11685.85 7175.82,11750.96 7170.19,11771.98 pad.145@7159.2,11778.33
GPIO2: FPC2.14 U22.22 | length 639.1
  Bottom Layer w5.98: U22.22@6601.96,11785.82 6623.39,11822.97 6645.99,11829.02 7019.43,11613.41 7083.59,11630.6 FPC2.14@7121.17,11695.7
GPIO4: FPC2.16 LED4.4 pad.145@7414.58,11580.24 U22.24 | length 968.4
  Bottom Layer w5.98: U22.24@6625.83,11772.04 6632.88,11784.26 6679.78,11796.83 7017.88,11601.63 7129.5,11631.53 FPC2.16@7155.2,11676.05 7168.18,11698.53 7196.54,11706.13 pad.145@7414.58,11580.24 ; LED4.4@7381.14,11461.37 7407.82,11468.52 7414.66,11480.38
GPIO5: FPC2.22 U22.34 | length 795.6
  Bottom Layer w5.98: U22.34@6590.89,11638.73 6650.66,11604.22 6682.45,11612.73 6717.65,11673.7 6758.66,11684.69 6794.45,11664.03 6823.38,11671.78 7078.87,11524.27 7226.97,11563.96 FPC2.22@7257.57,11616.95
GPIO12: FPC2.11 U22.18 | length 757
  Bottom Layer w5.98: U22.18@6554.23,11813.38 6565.06,11832.2 6552.93,11877.47 6589.84,11941.39 6606.53,11945.86 6786.55,11841.93 6802.37,11782.88 7004.07,11666.43 7041.87,11676.56 FPC2.11@7069.99,11725.25
GPIO13: FPC2.12 U22.20 | length 624.8
  Bottom Layer w5.98: U22.20@6578.09,11799.6 6604.2,11844.79 6644.1,11855.48 7003.66,11647.89 7056.2,11661.97 FPC2.12@7087.05,11715.4
GPIO14: FPC2.10 U22.17 | length 746.9
  Bottom Layer w5.98: U22.17@6542.24,11820.27 6552.25,11837.6 6540.51,11881.39 6581.65,11952.64 6608,11959.7 6802.45,11847.44 6817.81,11790.12 6998.95,11685.53 7028.95,11693.57 FPC2.10@7052.93,11735.1
GPIO15: FPC2.13 U22.21 | length 634.1
  Bottom Layer w5.98: U22.21@6590.03,11792.71 6612.56,11831.66 6647.28,11840.96 7016.93,11627.54 7066.79,11640.9 FPC2.13@7104.11,11705.55
GPIO18: FPC2.23 U22.35 | length 821.4
  Bottom Layer w5.98: U22.35@6584.04,11626.86 6645.4,11591.44 6691.2,11603.71 6725.5,11663.11 6757.46,11671.67 6793.28,11650.99 6823.42,11659.07 7083.15,11509.12 7242.61,11551.84 FPC2.23@7274.54,11607.15
GPIO19: FPC2.25 U22.38 | length 931.2
  Bottom Layer w5.98: U22.38@6563.34,11591.01 6577.23,11582.99 6585.92,11550.56 6671.28,11501.27 6691.43,11506.67 6751.34,11610.44 6828.1,11631 7092.61,11478.29 7273.65,11526.8 FPC2.25@7308.66,11587.45
GPIO21: FPC2.27 U22.42 | length 1144.8
  Bottom Layer w5.98: U22.42@6491.61,11622.24 6477.49,11597.72 6489.45,11553.11 6577.92,11502.03 6585.06,11475.39 6645.42,11440.54 6684.69,11451.06 6765.82,11591.57 6822.45,11606.74 7100.62,11446.14 7304.04,11500.64 FPC2.27@7342.79,11567.75
GPIO22: FPC2.26 U22.39 | length 1001.3
  Bottom Layer w5.98: U22.39@6527.41,11601.57 6521.03,11590.52 6525.84,11572.56 6669.73,11489.49 6698.67,11497.24 6758.58,11601 6826.55,11619.22 7096.2,11463.53 7289.82,11515.41 FPC2.26@7325.73,11577.6
GPIO23: FPC2.24 U22.36 | length 845.1
  Bottom Layer w5.98: U22.36@6577.14,11614.91 6640.22,11578.49 6699.83,11594.46 6730.13,11646.94 6762.43,11655.59 6791.6,11638.75 6822.37,11647 7089.6,11492.71 7257.14,11537.6 FPC2.24@7291.6,11597.3
GPIO25: FPC2.7 pad.145@6613.96,12096.99 pad.145@7057.46,11833.67 U22.14 | length 401.9
  Bottom Layer w5.98: U22.14@6482.46,11844.59 6470.31,11851.64 6466.13,11867.26 6540.84,11996.66 6558.82,12001.48 pad.145@6613.96,12096.99 ; FPC2.7@7001.83,11764.6 7022.57,11800.52 7041.21,11805.51 pad.145@7057.46,11833.67
GPIO26: FPC2.8 U22.15 | length 728.3
  Bottom Layer w5.98: U22.15@6518.43,11834.05 6526.65,11848.26 6516.08,11887.67 6567.39,11976.54 6611.04,11988.23 6837.44,11857.52 6852.4,11801.71 6988.39,11723.19 7002.92,11727.09 FPC2.8@7018.89,11754.75
GPIO27: FPC2.9 U22.16 | length 739.3
  Bottom Layer w5.98: U22.16@6530.38,11827.12 6539.46,11842.86 6528.3,11884.53 6575.23,11965.81 6609.48,11974.99 6819.35,11853.83 6834.94,11795.64 6992.96,11704.41 7016.16,11710.62 FPC2.9@7035.95,11744.9
GPIO32: pad.145@6599.35,12138.65 pad.145@7109.35,11426.33 Q4.1 R17.2 U22.12 | length 520.8
  Bottom Layer w5.98: U22.12@6468.68,11820.72 6449.92,11831.55 6439.28,11871.22 6592.64,12136.85 pad.145@6599.35,12138.65 ; Q4.1@6998.17,11385.56 7004.45,11396.44 7029.43,11403.13 7044.18,11428.68 7085.91,11439.86 pad.145@7109.35,11426.33 pad.145@7115.28,11427.93
GPIO33: pad.145@6617.57,12121.83 Q3.1 R29.2 U22.13 | length 354.1
  Bottom Layer w5.98: U22.13@6475.6,11832.65 6460.01,11841.65 6452.86,11868.33 6537,12014.07 6546.12,12016.51 6604.98,12118.46 pad.145@6617.57,12121.83
GPIO34: FPC2.5 pad.145@6528.71,12089.82 pad.145@7004.44,11836.35 U22.10 | length 405.6
  Bottom Layer w5.98: U22.10@6454.9,11796.8 6432.88,11809.51 6415,11876.24 6531.76,12078.47 pad.145@6528.71,12089.82 ; FPC2.5@6967.71,11784.3 6985.33,11814.82 6993.23,11816.94 pad.145@7004.44,11836.35
GPIO35: FPC2.6 pad.145@6552.68,12106.36 pad.145@7030.83,11833.69 U22.11 | length 424.6
  Bottom Layer w5.98: U22.11@6461.8,11808.75 6441.4,11820.53 6426.86,11874.81 6555.17,12097.06 pad.145@6552.68,12106.36 ; FPC2.6@6984.77,11774.45 7007.9,11814.52 7021.93,11818.27 pad.145@7030.83,11833.69
IIC-SCL: H1.12 pad.6@4721.9,11975.02 pad.6@10336.95,10736.91 pad.145@4541.8,11698.73 pad.145@4587.24,12012.12 pad.145@5089.62,11992.98 pad.145@8552.72,11315.17 pad.145@10202.29,10774.01 pad.145@10403.48,10698.45 pad.145@10704.67,10754.87 R65.1 U23.23 | length 1197.6
  Bottom Layer w5.98: pad.145@4587.24,12012.12 4596.64,12006.69 4644.68,12019.56 pad.6@4721.9,11975.02 4918.39,11861.54 5031.19,11891.76 pad.145@5089.62,11992.98 pad.145@5089.54,11993.3 ; pad.145@8552.72,11315.17 8540.76,11359.82 H1.12@8559.49,11392.26 ; pad.145@10202.29,10774.01 10211.69,10768.58 10259.72,10781.45 pad.6@10336.95,10736.91 pad.145@10403.48,10698.45 ; 10668.75,10692.86 pad.145@10704.67,10754.87 pad.145@10704.58,10755.19
  Bottom Layer w10: pad.145@4541.8,11698.73 4561.74,11687.21 ccw(c4585.5,11728.36) R65.1@4626.64,11704.6 ; R65.1@4626.64,11704.6 cw(c4650.6,11615.09) 4696.94,11695.36 U23.23@4726.62,11678.23
IIC-SDA: H1.14 pad.5@4712.06,11957.97 pad.5@10327.1,10719.86 pad.145@4580.48,11985.28 pad.145@5116.32,11979.11 pad.145@8605.49,11259.25 pad.145@10189.75,10750.86 pad.145@10374.46,10692.58 pad.145@10730.39,10740.74 R64.1 U23.24 | length 1264.1
  Bottom Layer w5.98: pad.145@4580.48,11985.28 4584.04,11983.23 4591.39,11985.19 4591.94,11984.88 4612.38,11990.36 4618.04,12000.15 4632.43,12004 pad.5@4712.06,11957.97 4920.36,11837.77 5054.67,11873.75 5115.35,11978.85 pad.145@5116.32,11979.11 ; pad.145@8605.49,11259.25 8603.17,11267.92 H1.14@8646.09,11342.26 ; pad.145@10195.52,10747.17 10199.08,10745.11 10206.43,10747.08 10206.98,10746.77 10227.43,10752.24 10233.08,10762.04 10247.47,10765.89 pad.5@10327.1,10719.86 pad.145@10374.46,10692.58 ; 10700.75,10689.86 pad.145@10730.39,10740.74 pad.145@10731.36,10741
  Bottom Layer w10: 4606.29,11857.06 4644.39,11835.06 cw(c4619.31,11791.63) 4662.74,11766.56 4649.84,11744.21 cw(c4649.11,11744.63) 4649.33,11743.82 cw(c4650.69,11738.74) 4653.32,11743.3 U23.24@4736.47,11695.29
KEY-DOWN: pad.143 R31.1 SW3.1 | length 1163
  Bottom Layer w5.98: SW3.1@3784.4,11735.58 3793.66,11701.15 4240.48,11443.18 4309.41,11461.66 4467.72,11735.86 4467.93,11735.91 pad.143@4545.39,11870.08
  Bottom Layer w11.81: SW3.1@3784.4,11735.58 3846.34,11752.18 R31.1@3849.96,11750.09
KEY-OK: pad.142 R32.1 SW4.1 | length 757.7
  Bottom Layer w5.98: SW4.1@4001.86,11612.02 4023.83,11617.91 4078.16,11586.55 4116.28,11596.76 4252.77,11517.96 4331.53,11539.06 pad.142@4528.34,11879.92
KEY-UP: pad.144 R14.1 SW2.1 | length 1546.6
  Bottom Layer w5.98: SW2.1@3591.89,11848.58 3602.13,11810.53 3757.23,11720.98 3764.87,11692.46 3751.95,11670.08 3757.02,11651.15 3843.62,11601.15 3865.62,11607.05 3877.98,11628.45 3889.23,11631.47 3974.21,11582.41 3979.83,11561.43 3973.09,11549.76 3979.26,11526.73 4061.42,11479.3 4081.72,11484.73 4090.08,11499.22 4108.84,11504.25 4240.82,11428.05 4313.88,11447.62 4358.66,11525.19 4371.02,11528.5 4562.48,11860.12 pad.144@4562.45,11860.23
  Bottom Layer w11.81: SW2.1@3591.89,11848.58 3651.95,11864.68 R14.1@3659.86,11860.11
LCD-BL: FPC1.22 pad.110 pad.145@4778.89,10814.99 pad.145@5934.04,11244.56 pad.145@9898.18,10987.17 pad.145@11631.89,11599.99 U5.7 | length 799.1
  Bottom Layer w5.98: pad.145@4778.89,10814.99 4780.73,10808.11 4830.32,10779.48 ; FPC1.22@5730.88,11357.29 5928.63,11243.12 pad.145@5934.04,11244.56 ; pad.110@9597.86,10956.77 9626.7,11006.72 9645.72,11011.82 9728.58,10963.98 9810.91,10986.04 9848.99,10964.05 9891.39,10975.41 pad.145@9898.18,10987.17 pad.145@9898.12,10987.41 ; pad.145@11631.89,11599.99 11633.73,11593.11 11683.32,11564.48 11699.29,11568.76 U5.7@11751.18,11538.8
LED0: pad.124 pad.145@4195.15,12011.13 pad.145@4644.78,11233.15 pad.145@4986.9,11641.11 pad.145@7419.82,11990.04 pad.145@9810.19,10773.02 R9.1 U4.17 | length 967.2
  Bottom Layer w5.98: pad.145@4195.15,12011.13 4195.09,12011.35 pad.124@4221.48,12057.09 ; pad.145@4644.78,11233.15 4688.8,11309.39 4731,11320.7 4831.15,11262.88 4843.48,11216.89 R9.1@4844.29,11216.42 ; pad.145@4986.9,11641.11 5354.28,11429 U4.17@5358.6,11430.15 ; pad.145@7419.82,11990.04 7463.84,12066.28 ; 7606.19,12019.77 7618.52,11973.78 R9.1@7619.33,11973.31 ; pad.145@9810.19,10773.02 9810.13,10773.23 pad.124@9836.53,10818.97
LED1: pad.123 pad.145@4168.43,12002.54 pad.145@4669.82,11218.41 pad.145@5175.85,11656.29 pad.145@7444.86,11975.3 pad.145@9783.84,10763.05 R10.1 U4.15 | length 721.2
  Bottom Layer w5.98: pad.145@4168.79,12001.17 4170.17,12001.53 4170.33,12001.81 4169.22,12005.94 pad.123@4204.43,12066.93 ; pad.145@4669.31,11218.27 pad.145@4669.82,11218.41 4718.42,11302.58 4733.44,11306.61 4760.94,11290.73 R10.1@4769.32,11259.57 ; pad.145@5175.85,11656.29 5180.6,11657.56 5333.54,11569.26 5401.21,11587.39 U4.15@5437.34,11566.54 ; pad.145@7444.35,11975.16 pad.145@7444.86,11975.3 7493.46,12059.47 ; pad.145@9783.84,10763.05 9785.21,10763.42 9785.37,10763.7 9784.26,10767.82 pad.123@9819.47,10828.82
NRF-CE: H2.6 pad.54 pad.145@8959.91,11254.11 pad.145@10239.36,11375.37 | length 258.7
  Bottom Layer w5.98: H2.6@8934.61,11176.6 8928.44,11199.6 pad.145@8959.91,11254.11 ; pad.145@10239.36,11375.37 10235.09,11391.29 pad.54@10312.83,11525.94